# KiCad board Bridge.kicad_pcb
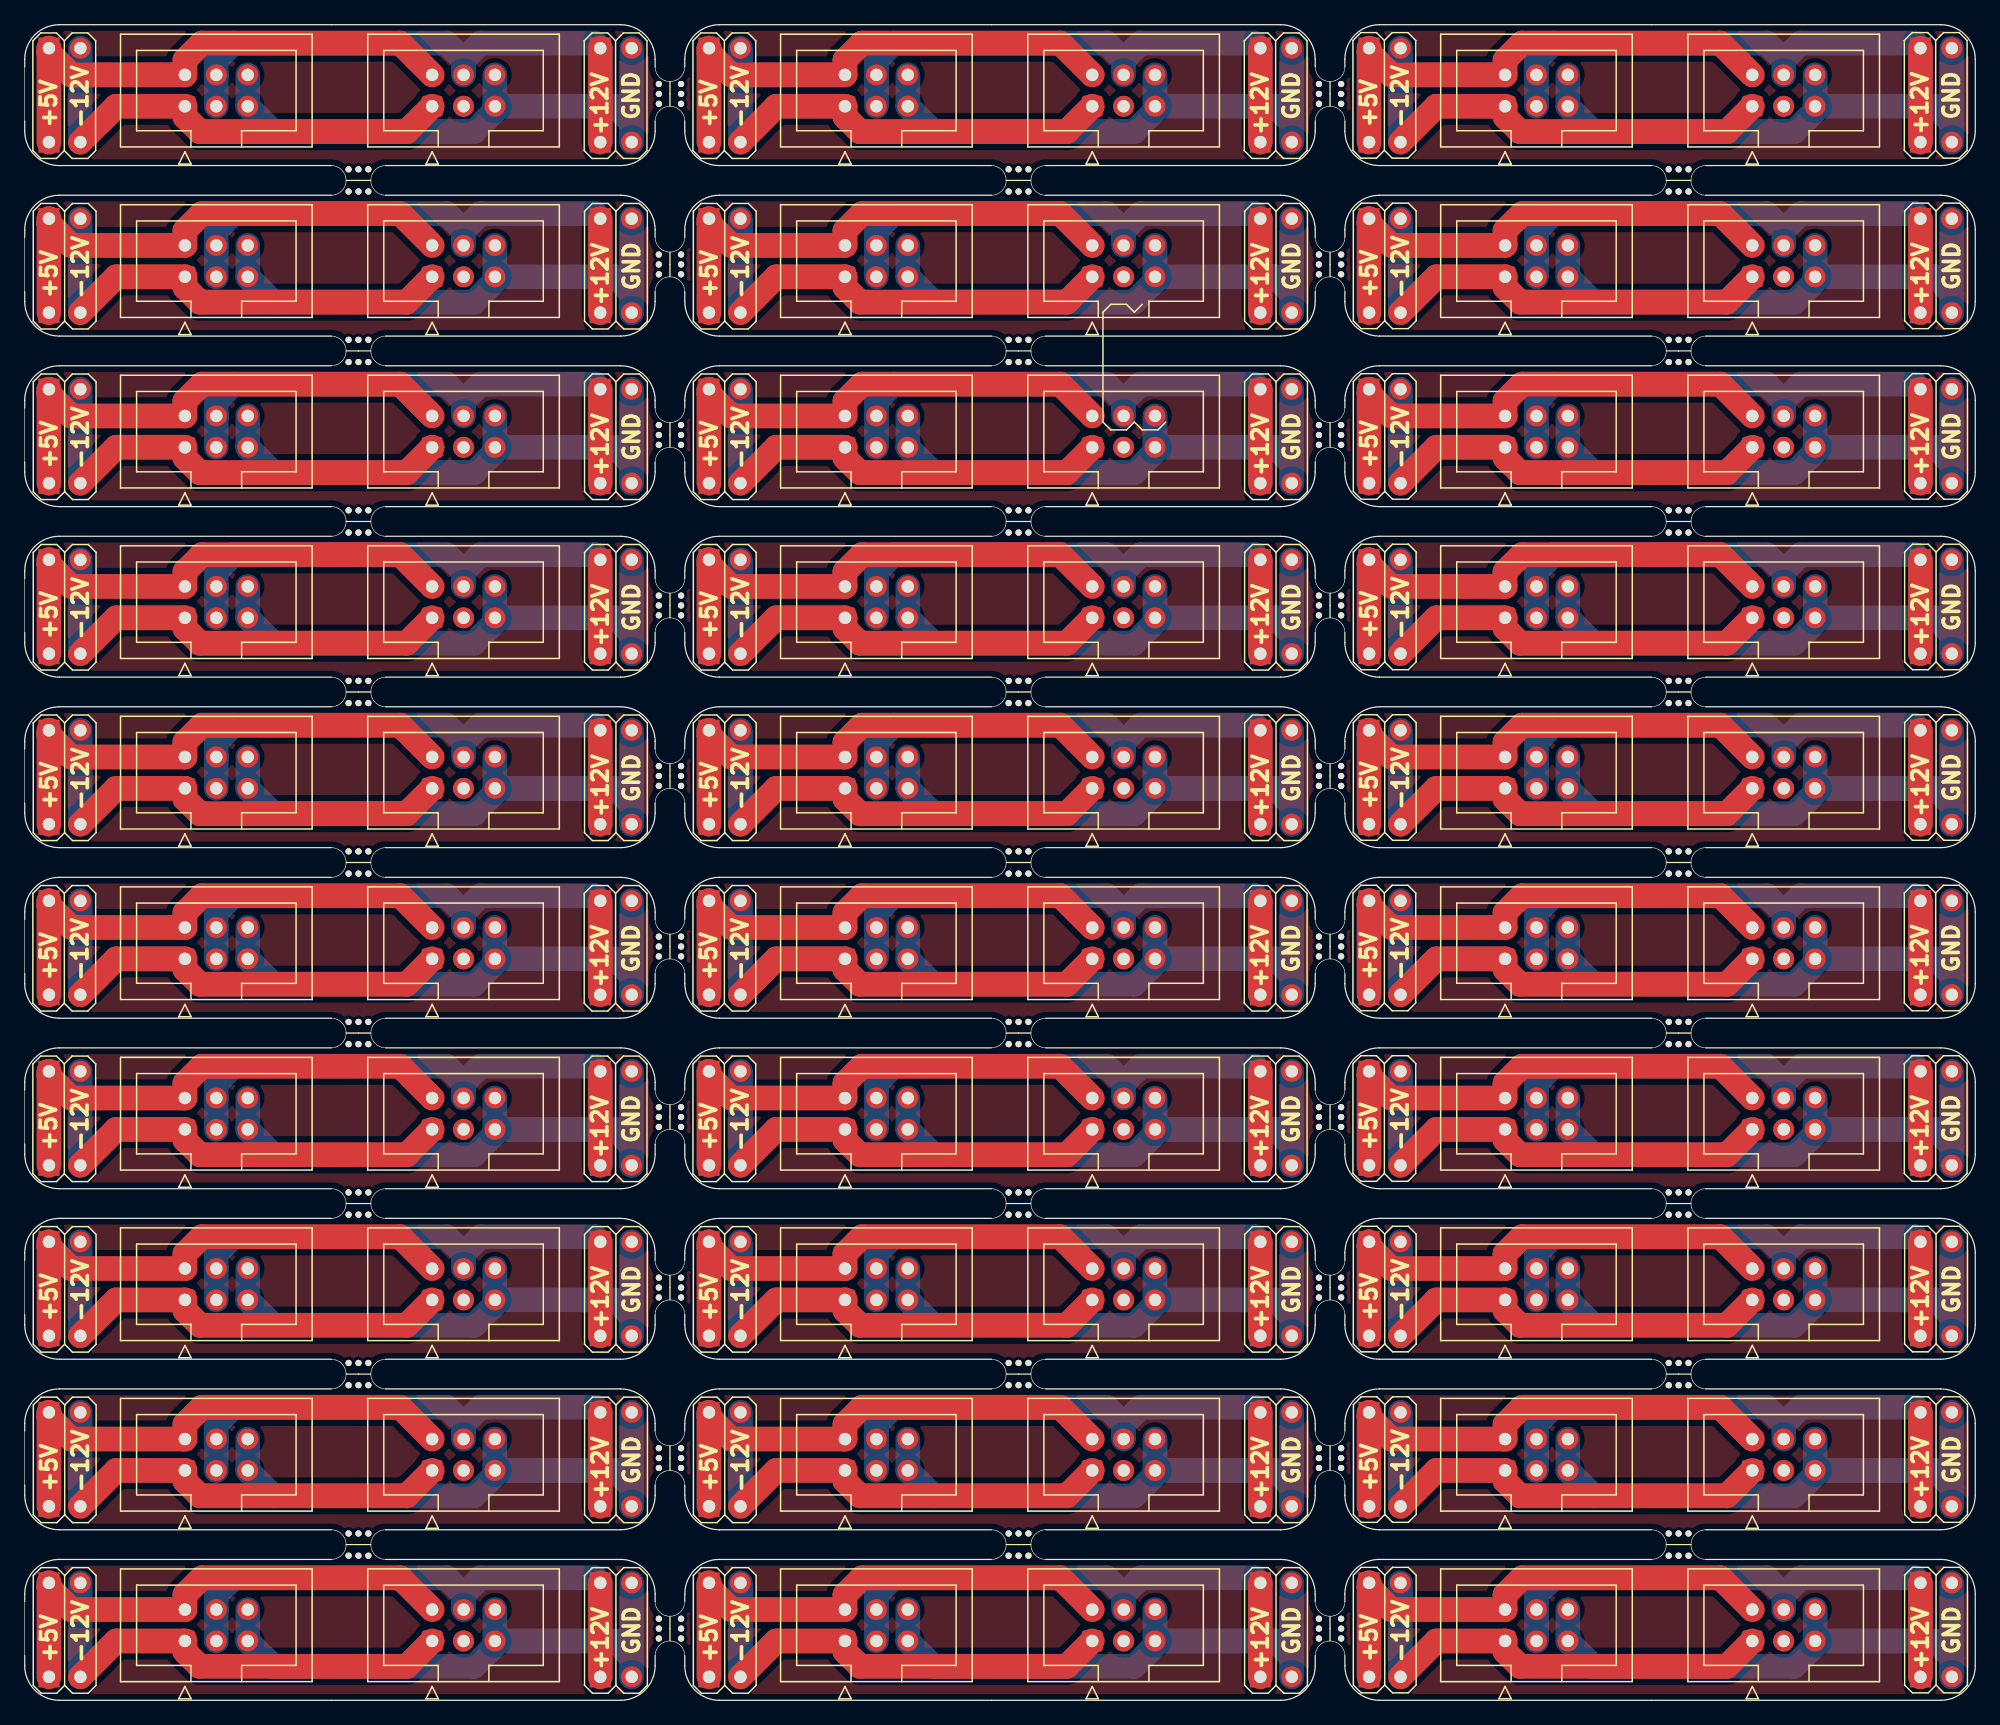
[diagram p0: board, top side]
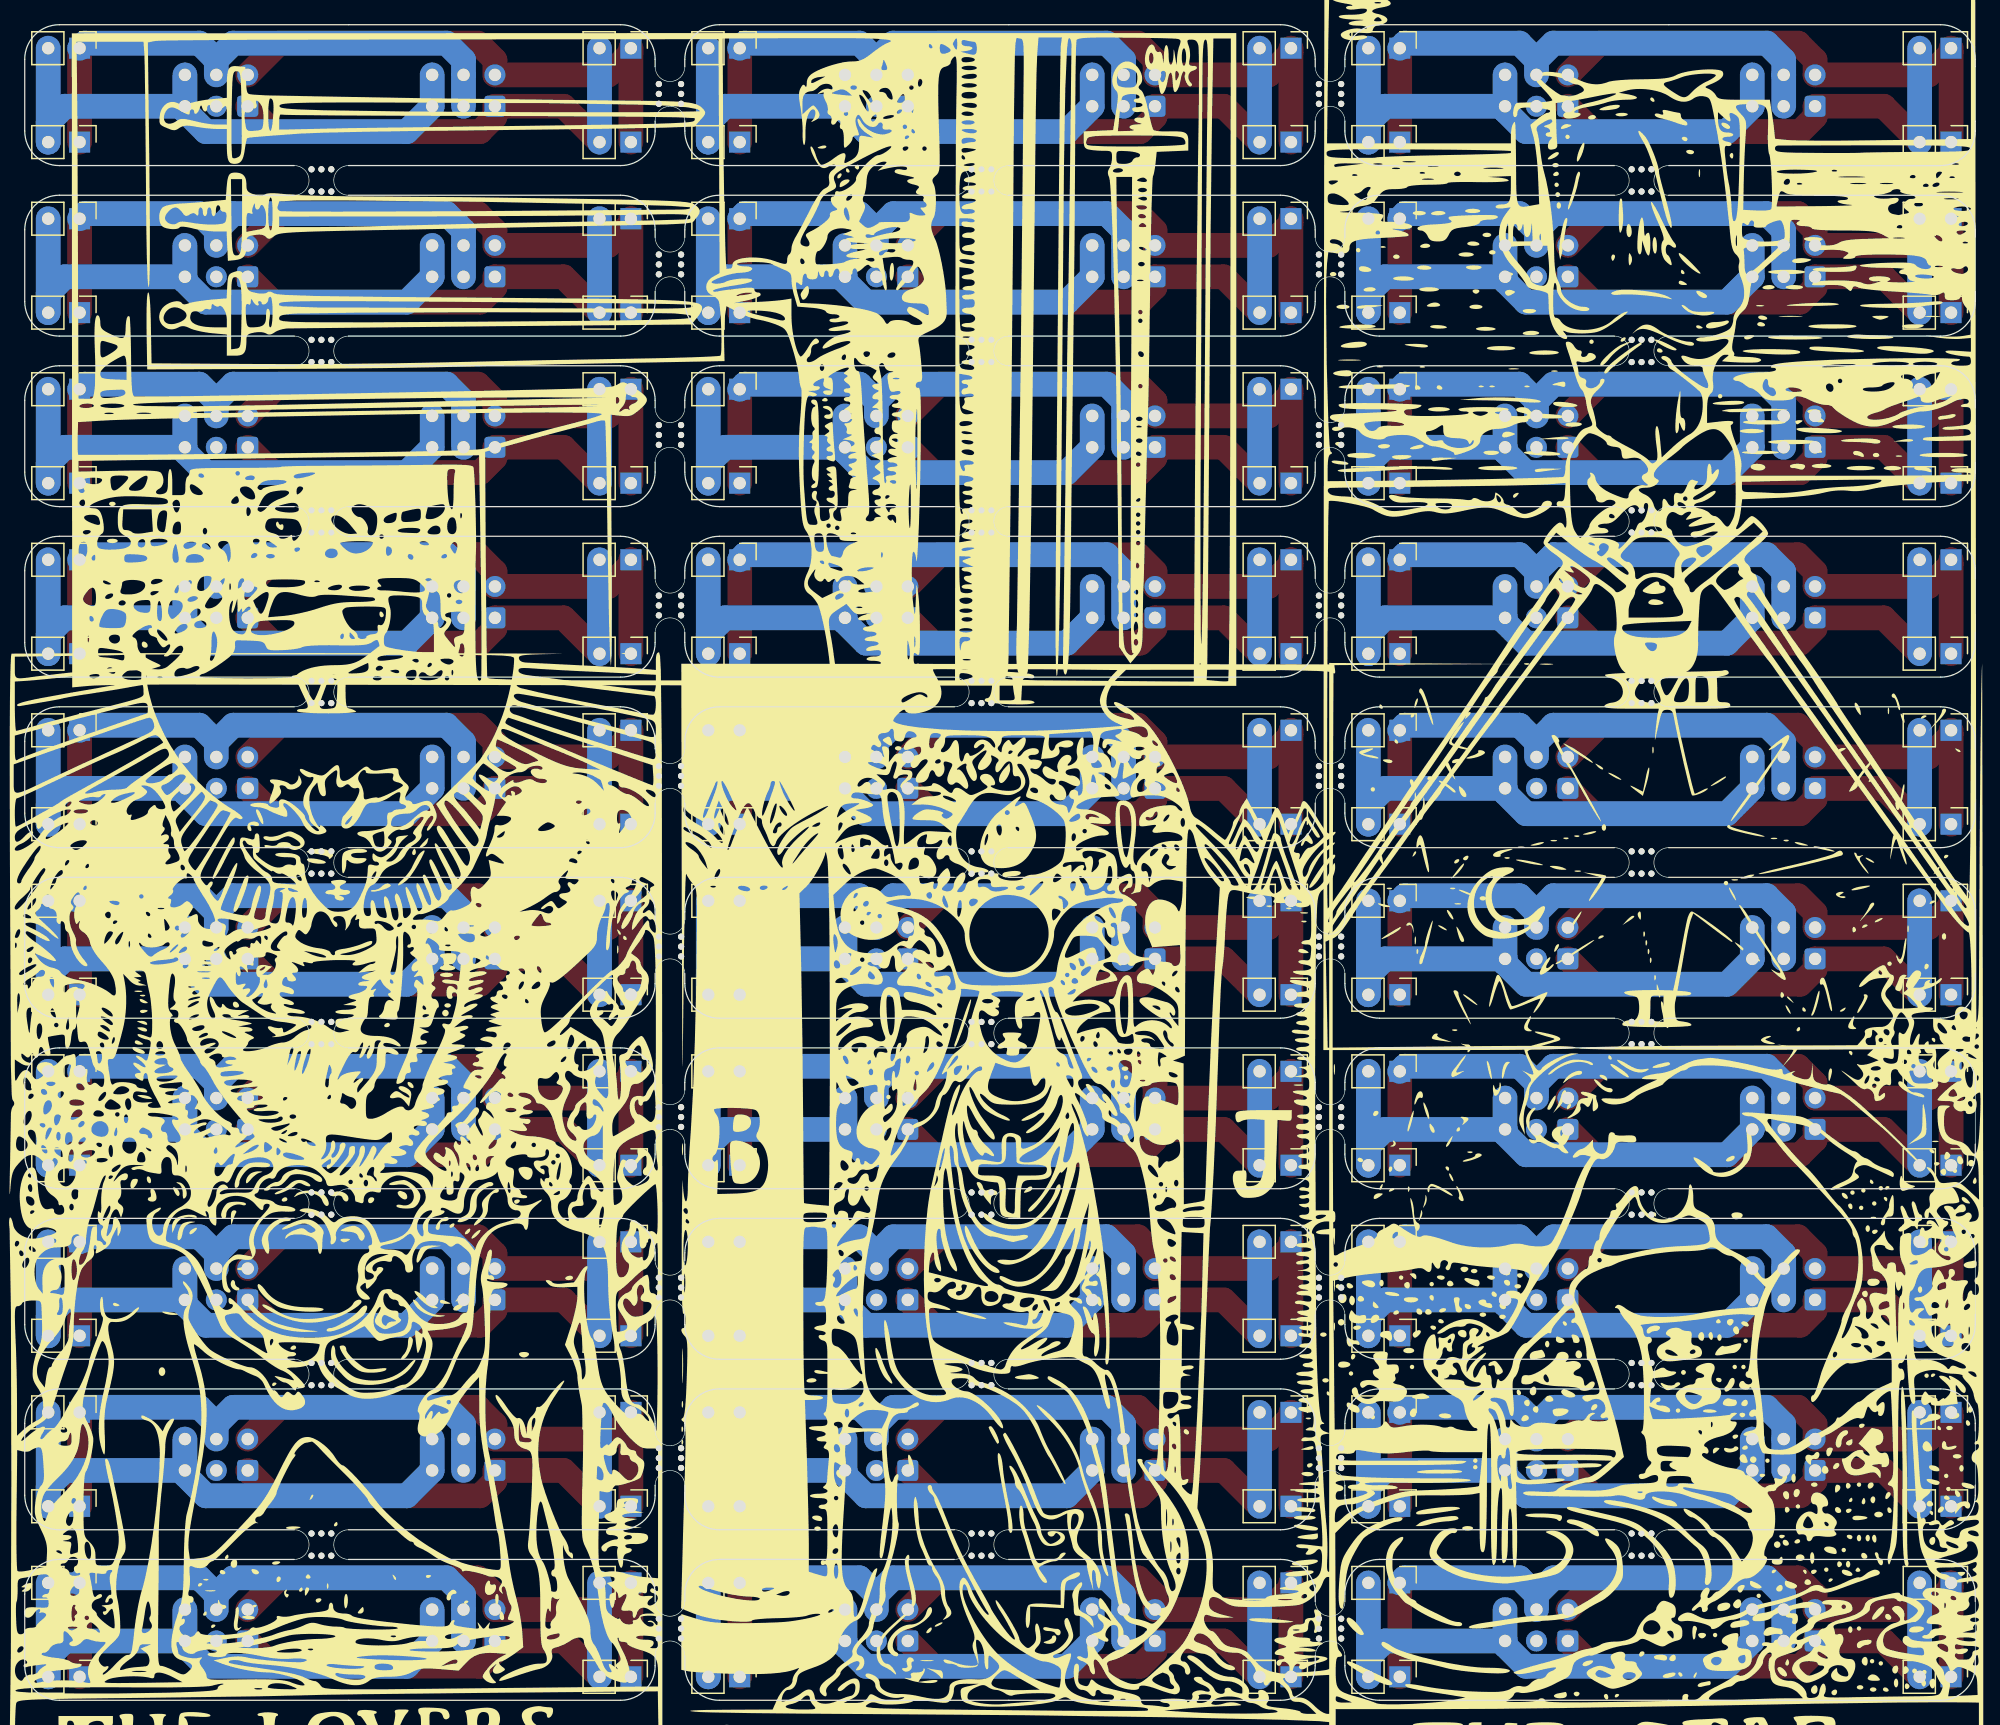
[diagram p1: board, bottom side, seen from below]

Outline 157.8 x 135.6 mm; copper layers: Top, Bottom. Coordinates in mm from the lower left corner of the outline.
Outline path: 24.8,121.8 2.8,121.8 arc(0.82,120.98) 0,119 0,113.2 arc(0.82,111.22) 2.8,110.4 24.8,110.4 ; 24.8,108 2.8,108 arc(0.82,107.18) 0,105.2 0,99.4 arc(0.82,97.42) 2.8,96.6 24.8,96.6 ; 24.8,94.2 2.8,94.2 arc(0.82,93.38) 0,91.4 0,85.6 arc(0.82,83.62) 2.8,82.8 24.8,82.8 ; 24.8,80.4 2.8,80.4 arc(0.82,79.58) 0,77.6 0,71.8 arc(0.82,69.82) 2.8,69 24.8,69 ; 24.8,66.6 2.8,66.6 arc(0.82,65.78) 0,63.8 0,58 arc(0.82,56.02) 2.8,55.2 24.8,55.2 ; 24.8,52.8 2.8,52.8 arc(0.82,51.98) 0,50 0,44.2 arc(0.82,42.22) 2.8,41.4 24.8,41.4 ; 24.8,39 2.8,39 arc(0.82,38.18) 0,36.2 0,30.4 arc(0.82,28.42) 2.8,27.6 24.8,27.6 ; 24.8,25.2 2.8,25.2 arc(0.82,24.38) 0,22.4 0,16.6 arc(0.82,14.62) 2.8,13.8 24.8,13.8 ; 24.8,11.4 2.8,11.4 arc(0.82,10.58) 0,8.6 0,2.8 arc(0.82,0.82) 2.8,0 48.2,0 arc(50.18,0.82) 51,2.8 51,3.6 ; 24.8,124.2 2.8,124.2 arc(0.82,125.02) 0,127 0,132.8 arc(0.82,134.78) 2.8,135.6 48.2,135.6 arc(50.18,134.78) 51,132.8 51,132.2 ; 29.2,121.8 48.2,121.8 arc(50.18,120.98) 51,119 51,118.4 ; 29.2,108 48.2,108 arc(50.18,107.18) 51,105.2 51,104.6 ; 29.2,94.2 48.2,94.2 arc(50.18,93.38) 51,91.4 51,90.8 ; 29.2,80.4 48.2,80.4 arc(50.18,79.58) 51,77.6 51,77 ; 29.2,66.6 48.2,66.6 arc(50.18,65.78) 51,63.8 51,63.2 ; 29.2,52.8 48.2,52.8 arc(50.18,51.98) 51,50 51,49.4 ; 29.2,39 48.2,39 arc(50.18,38.18) 51,36.2 51,35.6 ; 29.2,25.2 48.2,25.2 arc(50.18,24.38) 51,22.4 51,21.8 ; 29.2,11.4 48.2,11.4 arc(50.18,10.58) 51,8.6 51,8 ; 29.2,124.2 48.2,124.2 arc(50.18,125.02) 51,127 51,127.8 ; 29.2,110.4 48.2,110.4 arc(50.18,111.22) 51,113.2 51,114 ; 29.2,96.6 48.2,96.6 arc(50.18,97.42) 51,99.4 51,100.2 ; 29.2,82.8 48.2,82.8 arc(50.18,83.62) 51,85.6 51,86.4 ; 29.2,69 48.2,69 arc(50.18,69.82) 51,71.8 51,72.6 ; 29.2,55.2 48.2,55.2 arc(50.18,56.02) 51,58 51,58.8 ; 29.2,41.4 48.2,41.4 arc(50.18,42.22) 51,44.2 51,45 ; 29.2,27.6 48.2,27.6 arc(50.18,28.42) 51,30.4 51,31.2 ; 29.2,13.8 48.2,13.8 arc(50.18,14.62) 51,16.6 51,17.4 ; 53.4,132.2 53.4,132.8 arc(54.22,134.78) 56.2,135.6 101.6,135.6 arc(103.58,134.78) 104.4,132.8 104.4,132.2 ; 53.4,127.8 53.4,127 arc(54.22,125.02) 56.2,124.2 78.2,124.2 ; 53.4,118.4 53.4,119 arc(54.22,120.98) 56.2,121.8 78.2,121.8 ; 53.4,114 53.4,113.2 arc(54.22,111.22) 56.2,110.4 78.2,110.4 ; 53.4,104.6 53.4,105.2 arc(54.22,107.18) 56.2,108 78.2,108 ; 53.4,100.2 53.4,99.4 arc(54.22,97.42) 56.2,96.6 78.2,96.6 ; 53.4,90.8 53.4,91.4 arc(54.22,93.38) 56.2,94.2 78.2,94.2 ; 53.4,86.4 53.4,85.6 arc(54.22,83.62) 56.2,82.8 78.2,82.8 ; 53.4,77 53.4,77.6 arc(54.22,79.58) 56.2,80.4 78.2,80.4 ; 53.4,72.6 53.4,71.8 arc(54.22,69.82) 56.2,69 78.2,69 ; 53.4,63.2 53.4,63.8 arc(54.22,65.78) 56.2,66.6 78.2,66.6 ; 53.4,58.8 53.4,58 arc(54.22,56.02) 56.2,55.2 78.2,55.2 ; 53.4,49.4 53.4,50 arc(54.22,51.98) 56.2,52.8 78.2,52.8 ; 53.4,45 53.4,44.2 arc(54.22,42.22) 56.2,41.4 78.2,41.4 ; 53.4,35.6 53.4,36.2 arc(54.22,38.18) 56.2,39 78.2,39 ; 53.4,31.2 53.4,30.4 arc(54.22,28.42) 56.2,27.6 78.2,27.6 ; 53.4,21.8 53.4,22.4 arc(54.22,24.38) 56.2,25.2 78.2,25.2 ; 53.4,17.4 53.4,16.6 arc(54.22,14.62) 56.2,13.8 78.2,13.8 ; 53.4,8 53.4,8.6 arc(54.22,10.58) 56.2,11.4 78.2,11.4 ; 53.4,3.6 53.4,2.8 arc(54.22,0.82) 56.2,0 101.6,0 arc(103.58,0.82) 104.4,2.8 104.4,3.6 ; 82.6,121.8 101.6,121.8 arc(103.58,120.98) 104.4,119 104.4,118.4 ; 82.6,108 101.6,108 arc(103.58,107.18) 104.4,105.2 104.4,104.6 ; 82.6,94.2 101.6,94.2 arc(103.58,93.38) 104.4,91.4 104.4,90.8 ; 82.6,80.4 101.6,80.4 arc(103.58,79.58) 104.4,77.6 104.4,77 ; 82.6,66.6 101.6,66.6 arc(103.58,65.78) 104.4,63.8 104.4,63.2 ; 82.6,52.8 101.6,52.8 arc(103.58,51.98) 104.4,50 104.4,49.4 ; 82.6,39 101.6,39 arc(103.58,38.18) 104.4,36.2 104.4,35.6 ; 82.6,25.2 101.6,25.2 arc(103.58,24.38) 104.4,22.4 104.4,21.8 ; 82.6,11.4 101.6,11.4 arc(103.58,10.58) 104.4,8.6 104.4,8 ; 82.6,124.2 101.6,124.2 arc(103.58,125.02) 104.4,127 104.4,127.8 ; 82.6,110.4 101.6,110.4 arc(103.58,111.22) 104.4,113.2 104.4,114 ; 82.6,96.6 101.6,96.6 arc(103.58,97.42) 104.4,99.4 104.4,100.2 ; 82.6,82.8 101.6,82.8 arc(103.58,83.62) 104.4,85.6 104.4,86.4 ; 82.6,69 101.6,69 arc(103.58,69.82) 104.4,71.8 104.4,72.6 ; 82.6,55.2 101.6,55.2 arc(103.58,56.02) 104.4,58 104.4,58.8 ; 82.6,41.4 101.6,41.4 arc(103.58,42.22) 104.4,44.2 104.4,45 ; 82.6,27.6 101.6,27.6 arc(103.58,28.42) 104.4,30.4 104.4,31.2 ; 82.6,13.8 101.6,13.8 arc(103.58,14.62) 104.4,16.6 104.4,17.4 ; 106.8,132.2 106.8,132.8 arc(107.62,134.78) 109.6,135.6 155,135.6 arc(156.98,134.78) 157.8,132.8 157.8,127 arc(156.98,125.02) 155,124.2 136,124.2 ; 106.8,127.8 106.8,127 arc(107.62,125.02) 109.6,124.2 131.6,124.2 ; 106.8,118.4 106.8,119 arc(107.62,120.98) 109.6,121.8 131.6,121.8 ; 106.8,114 106.8,113.2 arc(107.62,111.22) 109.6,110.4 131.6,110.4 ; 106.8,104.6 106.8,105.2 arc(107.62,107.18) 109.6,108 131.6,108 ; 106.8,100.2 106.8,99.4 arc(107.62,97.42) 109.6,96.6 131.6,96.6 ; 106.8,90.8 106.8,91.4 arc(107.62,93.38) 109.6,94.2 131.6,94.2 ; 106.8,86.4 106.8,85.6 arc(107.62,83.62) 109.6,82.8 131.6,82.8 ; 106.8,77 106.8,77.6 arc(107.62,79.58) 109.6,80.4 131.6,80.4 ; 106.8,72.6 106.8,71.8 arc(107.62,69.82) 109.6,69 131.6,69 ; 106.8,63.2 106.8,63.8 arc(107.62,65.78) 109.6,66.6 131.6,66.6 ; 106.8,58.8 106.8,58 arc(107.62,56.02) 109.6,55.2 131.6,55.2 ; 106.8,49.4 106.8,50 arc(107.62,51.98) 109.6,52.8 131.6,52.8 ; 106.8,45 106.8,44.2 arc(107.62,42.22) 109.6,41.4 131.6,41.4 ; 106.8,35.6 106.8,36.2 arc(107.62,38.18) 109.6,39 131.6,39 ; 106.8,31.2 106.8,30.4 arc(107.62,28.42) 109.6,27.6 131.6,27.6 ; 106.8,21.8 106.8,22.4 arc(107.62,24.38) 109.6,25.2 131.6,25.2 ; 106.8,17.4 106.8,16.6 arc(107.62,14.62) 109.6,13.8 131.6,13.8 ; 106.8,8 106.8,8.6 arc(107.62,10.58) 109.6,11.4 131.6,11.4 ; 106.8,3.6 106.8,2.8 arc(107.62,0.82) 109.6,0 155,0 arc(156.98,0.82) 157.8,2.8 157.8,8.6 arc(156.98,10.58) 155,11.4 136,11.4 ; 136,121.8 155,121.8 arc(156.98,120.98) 157.8,119 157.8,113.2 arc(156.98,111.22) 155,110.4 136,110.4 ; 136,108 155,108 arc(156.98,107.18) 157.8,105.2 157.8,99.4 arc(156.98,97.42) 155,96.6 136,96.6 ; 136,94.2 155,94.2 arc(156.98,93.38) 157.8,91.4 157.8,85.6 arc(156.98,83.62) 155,82.8 136,82.8 ; 136,80.4 155,80.4 arc(156.98,79.58) 157.8,77.6 157.8,71.8 arc(156.98,69.82) 155,69 136,69 ; 136,66.6 155,66.6 arc(156.98,65.78) 157.8,63.8 157.8,58 arc(156.98,56.02) 155,55.2 136,55.2 ; 136,52.8 155,52.8 arc(156.98,51.98) 157.8,50 157.8,44.2 arc(156.98,42.22) 155,41.4 136,41.4 ; 136,39 155,39 arc(156.98,38.18) 157.8,36.2 157.8,30.4 arc(156.98,28.42) 155,27.6 136,27.6 ; 136,25.2 155,25.2 arc(156.98,24.38) 157.8,22.4 157.8,16.6 arc(156.98,14.62) 155,13.8 136,13.8

## Placement (name value [footprint] x y rotation side)
J1  6Pin  [IDC-Header_2x03_P2.54mm_Vertical]  139.76 129 90 top
J1#2  6Pin  [IDC-Header_2x03_P2.54mm_Vertical]  139.76 87.6 90 top
J1#3  6Pin  [IDC-Header_2x03_P2.54mm_Vertical]  86.36 87.6 90 top
J1#4  6Pin  [IDC-Header_2x03_P2.54mm_Vertical]  86.36 101.4 90 top
J1#5  6Pin  [IDC-Header_2x03_P2.54mm_Vertical]  139.76 4.8 90 top
J1#6  6Pin  [IDC-Header_2x03_P2.54mm_Vertical]  32.96 18.6 90 top
J1#7  6Pin  [IDC-Header_2x03_P2.54mm_Vertical]  32.96 32.4 90 top
J1#8  6Pin  [IDC-Header_2x03_P2.54mm_Vertical]  32.96 101.4 90 top
J1#9  6Pin  [IDC-Header_2x03_P2.54mm_Vertical]  32.96 115.2 90 top
J1#10  6Pin  [IDC-Header_2x03_P2.54mm_Vertical]  86.36 115.2 90 top
J1#11  6Pin  [IDC-Header_2x03_P2.54mm_Vertical]  139.76 101.4 90 top
J1#12  6Pin  [IDC-Header_2x03_P2.54mm_Vertical]  86.36 60 90 top
J1#13  6Pin  [IDC-Header_2x03_P2.54mm_Vertical]  139.76 115.2 90 top
J1#14  6Pin  [IDC-Header_2x03_P2.54mm_Vertical]  139.76 18.6 90 top
J1#15  6Pin  [IDC-Header_2x03_P2.54mm_Vertical]  139.76 32.4 90 top
J1#16  6Pin  [IDC-Header_2x03_P2.54mm_Vertical]  86.36 73.8 90 top
J1#17  6Pin  [IDC-Header_2x03_P2.54mm_Vertical]  32.96 87.6 90 top
J1#18  6Pin  [IDC-Header_2x03_P2.54mm_Vertical]  139.76 60 90 top
J1#19  6Pin  [IDC-Header_2x03_P2.54mm_Vertical]  139.76 46.2 90 top
J1#20  6Pin  [IDC-Header_2x03_P2.54mm_Vertical]  32.96 4.8 90 top
J1#21  6Pin  [IDC-Header_2x03_P2.54mm_Vertical]  139.76 73.8 90 top
J1#22  6Pin  [IDC-Header_2x03_P2.54mm_Vertical]  86.36 4.8 90 top
J1#23  6Pin  [IDC-Header_2x03_P2.54mm_Vertical]  86.36 46.2 90 top
J1#24  6Pin  [IDC-Header_2x03_P2.54mm_Vertical]  32.96 129 90 top
J1#25  6Pin  [IDC-Header_2x03_P2.54mm_Vertical]  86.36 18.6 90 top
J1#26  6Pin  [IDC-Header_2x03_P2.54mm_Vertical]  32.96 73.8 90 top
J1#27  6Pin  [IDC-Header_2x03_P2.54mm_Vertical]  86.36 32.4 90 top
J1#28  6Pin  [IDC-Header_2x03_P2.54mm_Vertical]  32.96 60 90 top
J1#29  6Pin  [IDC-Header_2x03_P2.54mm_Vertical]  32.96 46.2 90 top
J1#30  6Pin  [IDC-Header_2x03_P2.54mm_Vertical]  86.36 129 90 top
J4  6Pin  [IDC-Header_2x03_P2.54mm_Vertical]  66.36 4.8 90 top
J4#2  6Pin  [IDC-Header_2x03_P2.54mm_Vertical]  66.36 87.6 90 top
J4#3  6Pin  [IDC-Header_2x03_P2.54mm_Vertical]  12.96 129 90 top
J4#4  6Pin  [IDC-Header_2x03_P2.54mm_Vertical]  66.36 18.6 90 top
J4#5  6Pin  [IDC-Header_2x03_P2.54mm_Vertical]  66.36 115.2 90 top
J4#6  6Pin  [IDC-Header_2x03_P2.54mm_Vertical]  12.96 115.2 90 top
J4#7  6Pin  [IDC-Header_2x03_P2.54mm_Vertical]  66.36 32.4 90 top
J4#8  6Pin  [IDC-Header_2x03_P2.54mm_Vertical]  12.96 60 90 top
J4#9  6Pin  [IDC-Header_2x03_P2.54mm_Vertical]  12.96 18.6 90 top
J4#10  6Pin  [IDC-Header_2x03_P2.54mm_Vertical]  119.76 60 90 top
J4#11  6Pin  [IDC-Header_2x03_P2.54mm_Vertical]  66.36 73.8 90 top
J4#12  6Pin  [IDC-Header_2x03_P2.54mm_Vertical]  66.36 46.2 90 top
J4#13  6Pin  [IDC-Header_2x03_P2.54mm_Vertical]  119.76 18.6 90 top
J4#14  6Pin  [IDC-Header_2x03_P2.54mm_Vertical]  119.76 87.6 90 top
J4#15  6Pin  [IDC-Header_2x03_P2.54mm_Vertical]  12.96 4.8 90 top
J4#16  6Pin  [IDC-Header_2x03_P2.54mm_Vertical]  12.96 46.2 90 top
J4#17  6Pin  [IDC-Header_2x03_P2.54mm_Vertical]  66.36 101.4 90 top
J4#18  6Pin  [IDC-Header_2x03_P2.54mm_Vertical]  119.76 115.2 90 top
J4#19  6Pin  [IDC-Header_2x03_P2.54mm_Vertical]  119.76 46.2 90 top
J4#20  6Pin  [IDC-Header_2x03_P2.54mm_Vertical]  119.76 73.8 90 top
J4#21  6Pin  [IDC-Header_2x03_P2.54mm_Vertical]  12.96 87.6 90 top
J4#22  6Pin  [IDC-Header_2x03_P2.54mm_Vertical]  119.76 4.8 90 top
J4#23  6Pin  [IDC-Header_2x03_P2.54mm_Vertical]  119.76 129 90 top
J4#24  6Pin  [IDC-Header_2x03_P2.54mm_Vertical]  12.96 32.4 90 top
J4#25  6Pin  [IDC-Header_2x03_P2.54mm_Vertical]  119.76 101.4 90 top
J4#26  6Pin  [IDC-Header_2x03_P2.54mm_Vertical]  66.36 60 90 top
J4#27  6Pin  [IDC-Header_2x03_P2.54mm_Vertical]  12.96 101.4 90 top
J4#28  6Pin  [IDC-Header_2x03_P2.54mm_Vertical]  12.96 73.8 90 top
J4#29  6Pin  [IDC-Header_2x03_P2.54mm_Vertical]  66.36 129 90 top
J4#30  6Pin  [IDC-Header_2x03_P2.54mm_Vertical]  119.76 32.4 90 top
J7  NW  [PinHeader_1x02_P2.54mm_Vertical]  108.76 92.3 270 bottom
J7#2  NW  [PinHeader_1x02_P2.54mm_Vertical]  55.36 92.3 270 bottom
J7#3  NW  [PinHeader_1x02_P2.54mm_Vertical]  1.96 92.3 270 bottom
J7#4  NW  [PinHeader_1x02_P2.54mm_Vertical]  1.96 133.7 270 bottom
J7#5  NW  [PinHeader_1x02_P2.54mm_Vertical]  108.76 64.7 270 bottom
J7#6  NW  [PinHeader_1x02_P2.54mm_Vertical]  55.36 37.1 270 bottom
J7#7  NW  [PinHeader_1x02_P2.54mm_Vertical]  1.96 9.5 270 bottom
J7#8  NW  [PinHeader_1x02_P2.54mm_Vertical]  55.36 23.3 270 bottom
J7#9  NW  [PinHeader_1x02_P2.54mm_Vertical]  1.96 119.9 270 bottom
J7#10  NW  [PinHeader_1x02_P2.54mm_Vertical]  108.76 9.5 270 bottom
J7#11  NW  [PinHeader_1x02_P2.54mm_Vertical]  1.96 37.1 270 bottom
J7#12  NW  [PinHeader_1x02_P2.54mm_Vertical]  1.96 64.7 270 bottom
J7#13  NW  [PinHeader_1x02_P2.54mm_Vertical]  55.36 64.7 270 bottom
J7#14  NW  [PinHeader_1x02_P2.54mm_Vertical]  55.36 50.9 270 bottom
J7#15  NW  [PinHeader_1x02_P2.54mm_Vertical]  55.36 106.1 270 bottom
J7#16  NW  [PinHeader_1x02_P2.54mm_Vertical]  108.76 37.1 270 bottom
J7#17  NW  [PinHeader_1x02_P2.54mm_Vertical]  108.76 133.7 270 bottom
J7#18  NW  [PinHeader_1x02_P2.54mm_Vertical]  108.76 106.1 270 bottom
J7#19  NW  [PinHeader_1x02_P2.54mm_Vertical]  108.76 119.9 270 bottom
J7#20  NW  [PinHeader_1x02_P2.54mm_Vertical]  55.36 119.9 270 bottom
J7#21  NW  [PinHeader_1x02_P2.54mm_Vertical]  1.96 23.3 270 bottom
J7#22  NW  [PinHeader_1x02_P2.54mm_Vertical]  108.76 23.3 270 bottom
J7#23  NW  [PinHeader_1x02_P2.54mm_Vertical]  55.36 9.5 270 bottom
J7#24  NW  [PinHeader_1x02_P2.54mm_Vertical]  55.36 133.7 270 bottom
J7#25  NW  [PinHeader_1x02_P2.54mm_Vertical]  108.76 78.5 270 bottom
J7#26  NW  [PinHeader_1x02_P2.54mm_Vertical]  1.96 78.5 270 bottom
J7#27  NW  [PinHeader_1x02_P2.54mm_Vertical]  108.76 50.9 270 bottom
J7#28  NW  [PinHeader_1x02_P2.54mm_Vertical]  1.96 106.1 270 bottom
J7#29  NW  [PinHeader_1x02_P2.54mm_Vertical]  55.36 78.5 270 bottom
J7#30  NW  [PinHeader_1x02_P2.54mm_Vertical]  1.96 50.9 270 bottom
J10  SW  [PinHeader_1x02_P2.54mm_Vertical]  55.36 57.1 270 bottom
J10#2  SW  [PinHeader_1x02_P2.54mm_Vertical]  108.76 29.5 270 bottom
J10#3  SW  [PinHeader_1x02_P2.54mm_Vertical]  1.96 126.1 270 bottom
J10#4  SW  [PinHeader_1x02_P2.54mm_Vertical]  108.76 98.5 270 bottom
J10#5  SW  [PinHeader_1x02_P2.54mm_Vertical]  1.96 57.1 270 bottom
J10#6  SW  [PinHeader_1x02_P2.54mm_Vertical]  1.96 70.9 270 bottom
J10#7  SW  [PinHeader_1x02_P2.54mm_Vertical]  55.36 1.9 270 bottom
J10#8  SW  [PinHeader_1x02_P2.54mm_Vertical]  1.96 29.5 270 bottom
J10#9  SW  [PinHeader_1x02_P2.54mm_Vertical]  55.36 43.3 270 bottom
J10#10  SW  [PinHeader_1x02_P2.54mm_Vertical]  108.76 112.3 270 bottom
J10#11  SW  [PinHeader_1x02_P2.54mm_Vertical]  1.96 84.7 270 bottom
J10#12  SW  [PinHeader_1x02_P2.54mm_Vertical]  55.36 112.3 270 bottom
J10#13  SW  [PinHeader_1x02_P2.54mm_Vertical]  55.36 98.5 270 bottom
J10#14  SW  [PinHeader_1x02_P2.54mm_Vertical]  108.76 43.3 270 bottom
J10#15  SW  [PinHeader_1x02_P2.54mm_Vertical]  108.76 126.1 270 bottom
J10#16  SW  [PinHeader_1x02_P2.54mm_Vertical]  1.96 15.7 270 bottom
J10#17  SW  [PinHeader_1x02_P2.54mm_Vertical]  108.76 15.7 270 bottom
J10#18  SW  [PinHeader_1x02_P2.54mm_Vertical]  55.36 70.9 270 bottom
J10#19  SW  [PinHeader_1x02_P2.54mm_Vertical]  55.36 126.1 270 bottom
J10#20  SW  [PinHeader_1x02_P2.54mm_Vertical]  55.36 84.7 270 bottom
J10#21  SW  [PinHeader_1x02_P2.54mm_Vertical]  1.96 43.3 270 bottom
J10#22  SW  [PinHeader_1x02_P2.54mm_Vertical]  108.76 84.7 270 bottom
J10#23  SW  [PinHeader_1x02_P2.54mm_Vertical]  108.76 57.1 270 bottom
J10#24  SW  [PinHeader_1x02_P2.54mm_Vertical]  108.76 1.9 270 bottom
J10#25  SW  [PinHeader_1x02_P2.54mm_Vertical]  55.36 29.5 270 bottom
J10#26  SW  [PinHeader_1x02_P2.54mm_Vertical]  1.96 1.9 270 bottom
J10#27  SW  [PinHeader_1x02_P2.54mm_Vertical]  108.76 70.9 270 bottom
J10#28  SW  [PinHeader_1x02_P2.54mm_Vertical]  1.96 98.5 270 bottom
J10#29  SW  [PinHeader_1x02_P2.54mm_Vertical]  55.36 15.7 270 bottom
J10#30  SW  [PinHeader_1x02_P2.54mm_Vertical]  1.96 112.3 270 bottom
J13  NE  [PinHeader_1x02_P2.54mm_Vertical]  153.36 9.5 270 bottom
J13#2  NE  [PinHeader_1x02_P2.54mm_Vertical]  46.56 78.5 270 bottom
J13#3  NE  [PinHeader_1x02_P2.54mm_Vertical]  99.96 9.5 270 bottom
J13#4  NE  [PinHeader_1x02_P2.54mm_Vertical]  153.36 23.3 270 bottom
J13#5  NE  [PinHeader_1x02_P2.54mm_Vertical]  46.56 119.9 270 bottom
J13#6  NE  [PinHeader_1x02_P2.54mm_Vertical]  46.56 64.7 270 bottom
J13#7  NE  [PinHeader_1x02_P2.54mm_Vertical]  46.56 37.1 270 bottom
J13#8  NE  [PinHeader_1x02_P2.54mm_Vertical]  99.96 133.7 270 bottom
J13#9  NE  [PinHeader_1x02_P2.54mm_Vertical]  153.36 133.7 270 bottom
J13#10  NE  [PinHeader_1x02_P2.54mm_Vertical]  46.56 133.7 270 bottom
J13#11  NE  [PinHeader_1x02_P2.54mm_Vertical]  99.96 64.7 270 bottom
J13#12  NE  [PinHeader_1x02_P2.54mm_Vertical]  99.96 106.1 270 bottom
J13#13  NE  [PinHeader_1x02_P2.54mm_Vertical]  99.96 78.5 270 bottom
J13#14  NE  [PinHeader_1x02_P2.54mm_Vertical]  153.36 50.9 270 bottom
J13#15  NE  [PinHeader_1x02_P2.54mm_Vertical]  46.56 50.9 270 bottom
J13#16  NE  [PinHeader_1x02_P2.54mm_Vertical]  46.56 9.5 270 bottom
J13#17  NE  [PinHeader_1x02_P2.54mm_Vertical]  153.36 64.7 270 bottom
J13#18  NE  [PinHeader_1x02_P2.54mm_Vertical]  153.36 92.3 270 bottom
J13#19  NE  [PinHeader_1x02_P2.54mm_Vertical]  153.36 37.1 270 bottom
J13#20  NE  [PinHeader_1x02_P2.54mm_Vertical]  99.96 50.9 270 bottom
J13#21  NE  [PinHeader_1x02_P2.54mm_Vertical]  99.96 92.3 270 bottom
J13#22  NE  [PinHeader_1x02_P2.54mm_Vertical]  153.36 106.1 270 bottom
J13#23  NE  [PinHeader_1x02_P2.54mm_Vertical]  153.36 78.5 270 bottom
J13#24  NE  [PinHeader_1x02_P2.54mm_Vertical]  99.96 37.1 270 bottom
J13#25  NE  [PinHeader_1x02_P2.54mm_Vertical]  99.96 23.3 270 bottom
J13#26  NE  [PinHeader_1x02_P2.54mm_Vertical]  46.56 106.1 270 bottom
J13#27  NE  [PinHeader_1x02_P2.54mm_Vertical]  99.96 119.9 270 bottom
J13#28  NE  [PinHeader_1x02_P2.54mm_Vertical]  46.56 23.3 270 bottom
J13#29  NE  [PinHeader_1x02_P2.54mm_Vertical]  46.56 92.3 270 bottom
J13#30  NE  [PinHeader_1x02_P2.54mm_Vertical]  153.36 119.9 270 bottom
J16  SE  [PinHeader_1x02_P2.54mm_Vertical]  153.36 15.7 270 bottom
J16#2  SE  [PinHeader_1x02_P2.54mm_Vertical]  46.56 84.7 270 bottom
J16#3  SE  [PinHeader_1x02_P2.54mm_Vertical]  153.36 112.3 270 bottom
J16#4  SE  [PinHeader_1x02_P2.54mm_Vertical]  46.56 29.5 270 bottom
J16#5  SE  [PinHeader_1x02_P2.54mm_Vertical]  153.36 1.9 270 bottom
J16#6  SE  [PinHeader_1x02_P2.54mm_Vertical]  99.96 84.7 270 bottom
J16#7  SE  [PinHeader_1x02_P2.54mm_Vertical]  99.96 43.3 270 bottom
J16#8  SE  [PinHeader_1x02_P2.54mm_Vertical]  99.96 112.3 270 bottom
J16#9  SE  [PinHeader_1x02_P2.54mm_Vertical]  46.56 15.7 270 bottom
J16#10  SE  [PinHeader_1x02_P2.54mm_Vertical]  99.96 98.5 270 bottom
J16#11  SE  [PinHeader_1x02_P2.54mm_Vertical]  46.56 112.3 270 bottom
J16#12  SE  [PinHeader_1x02_P2.54mm_Vertical]  99.96 70.9 270 bottom
J16#13  SE  [PinHeader_1x02_P2.54mm_Vertical]  153.36 57.1 270 bottom
J16#14  SE  [PinHeader_1x02_P2.54mm_Vertical]  99.96 126.1 270 bottom
J16#15  SE  [PinHeader_1x02_P2.54mm_Vertical]  153.36 29.5 270 bottom
J16#16  SE  [PinHeader_1x02_P2.54mm_Vertical]  99.96 57.1 270 bottom
J16#17  SE  [PinHeader_1x02_P2.54mm_Vertical]  153.36 70.9 270 bottom
J16#18  SE  [PinHeader_1x02_P2.54mm_Vertical]  46.56 43.3 270 bottom
J16#19  SE  [PinHeader_1x02_P2.54mm_Vertical]  153.36 98.5 270 bottom
J16#20  SE  [PinHeader_1x02_P2.54mm_Vertical]  46.56 1.9 270 bottom
J16#21  SE  [PinHeader_1x02_P2.54mm_Vertical]  99.96 1.9 270 bottom
J16#22  SE  [PinHeader_1x02_P2.54mm_Vertical]  153.36 43.3 270 bottom
J16#23  SE  [PinHeader_1x02_P2.54mm_Vertical]  46.56 98.5 270 bottom